# KiCad board PCA20073_nRF54L15_Tiny_Board.kicad_pcb (continued)
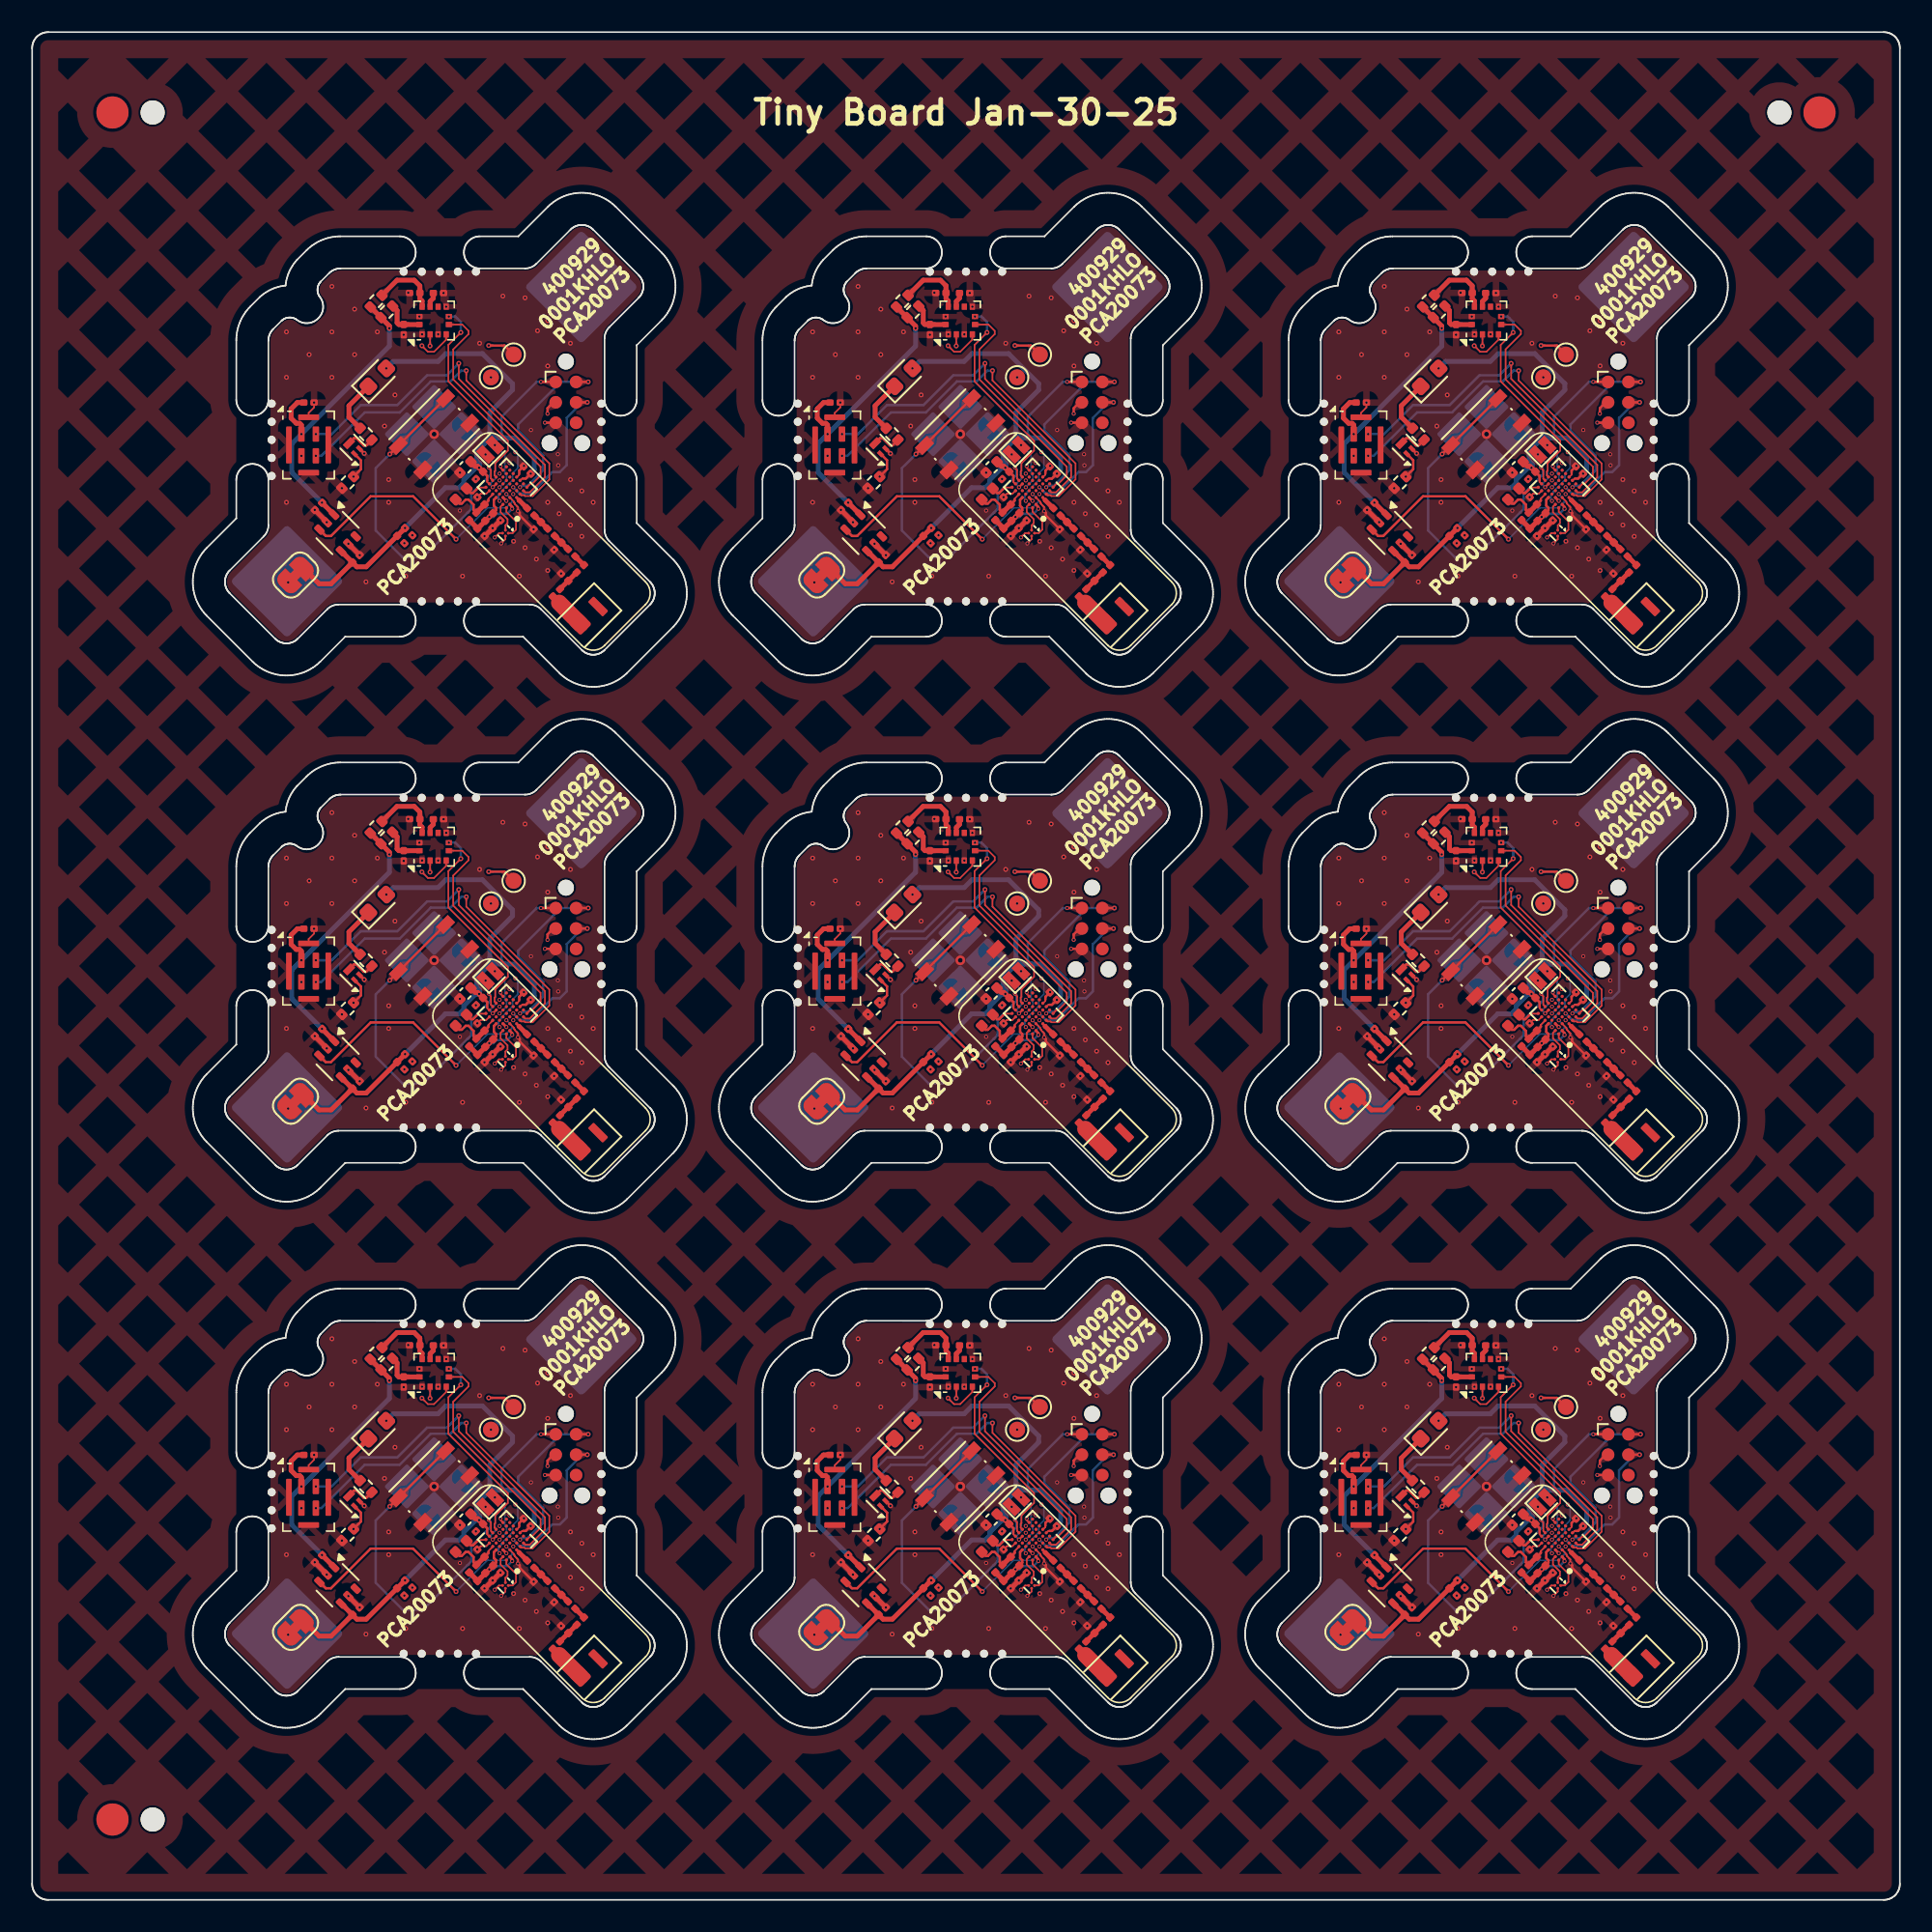
[diagram p0: board, top side]
## Placement (name value [footprint] x y rotation side) (continued)
KiKit_MB_23_3  -  [NPTH]  90.87 68.59 0 top
KiKit_MB_23_4  -  [NPTH]  92 68.59 0 top
KiKit_MB_23_5  -  [NPTH]  93.12 68.59 0 top
KiKit_MB_24_1  -  [NPTH]  93.12 48.07 0 top
KiKit_MB_24_2  -  [NPTH]  92 48.07 0 top
KiKit_MB_24_3  -  [NPTH]  90.87 48.07 0 top
KiKit_MB_24_4  -  [NPTH]  89.75 48.07 0 top
KiKit_MB_24_5  -  [NPTH]  88.62 48.07 0 top
KiKit_MB_25_1  -  [NPTH]  14.91 23.12 0 top
KiKit_MB_25_2  -  [NPTH]  14.91 24.25 0 top
KiKit_MB_25_3  -  [NPTH]  14.91 25.37 0 top
KiKit_MB_25_4  -  [NPTH]  14.91 26.5 0 top
KiKit_MB_25_5  -  [NPTH]  14.91 27.62 0 top
KiKit_MB_26_1  -  [NPTH]  35.43 27.62 0 top
KiKit_MB_26_2  -  [NPTH]  35.43 26.5 0 top
KiKit_MB_26_3  -  [NPTH]  35.43 25.37 0 top
KiKit_MB_26_4  -  [NPTH]  35.43 24.25 0 top
KiKit_MB_26_5  -  [NPTH]  35.43 23.12 0 top
KiKit_MB_27_1  -  [NPTH]  23.12 35.84 0 top
KiKit_MB_27_2  -  [NPTH]  24.25 35.84 0 top
KiKit_MB_27_3  -  [NPTH]  25.37 35.84 0 top
KiKit_MB_27_4  -  [NPTH]  26.5 35.84 0 top
KiKit_MB_27_5  -  [NPTH]  27.62 35.84 0 top
KiKit_MB_28_1  -  [NPTH]  27.62 15.32 0 top
KiKit_MB_28_2  -  [NPTH]  26.5 15.32 0 top
KiKit_MB_28_3  -  [NPTH]  25.37 15.32 0 top
KiKit_MB_28_4  -  [NPTH]  24.25 15.32 0 top
KiKit_MB_28_5  -  [NPTH]  23.12 15.32 0 top
KiKit_MB_29_1  -  [NPTH]  47.66 23.12 0 top
KiKit_MB_29_2  -  [NPTH]  47.66 24.25 0 top
KiKit_MB_29_3  -  [NPTH]  47.66 25.37 0 top
KiKit_MB_29_4  -  [NPTH]  47.66 26.5 0 top
KiKit_MB_29_5  -  [NPTH]  47.66 27.62 0 top
KiKit_MB_30_1  -  [NPTH]  68.18 27.62 0 top
KiKit_MB_30_2  -  [NPTH]  68.18 26.5 0 top
KiKit_MB_30_3  -  [NPTH]  68.18 25.37 0 top
KiKit_MB_30_4  -  [NPTH]  68.18 24.25 0 top
KiKit_MB_30_5  -  [NPTH]  68.18 23.12 0 top
KiKit_MB_31_1  -  [NPTH]  55.87 35.84 0 top
KiKit_MB_31_2  -  [NPTH]  57 35.84 0 top
KiKit_MB_31_3  -  [NPTH]  58.12 35.84 0 top
KiKit_MB_31_4  -  [NPTH]  59.25 35.84 0 top
KiKit_MB_31_5  -  [NPTH]  60.37 35.84 0 top
KiKit_MB_32_1  -  [NPTH]  60.37 15.32 0 top
KiKit_MB_32_2  -  [NPTH]  59.25 15.32 0 top
KiKit_MB_32_3  -  [NPTH]  58.12 15.32 0 top
KiKit_MB_32_4  -  [NPTH]  57 15.32 0 top
KiKit_MB_32_5  -  [NPTH]  55.87 15.32 0 top
KiKit_MB_33_1  -  [NPTH]  80.4 23.12 0 top
KiKit_MB_33_2  -  [NPTH]  80.4 24.25 0 top
KiKit_MB_33_3  -  [NPTH]  80.4 25.37 0 top
KiKit_MB_33_4  -  [NPTH]  80.4 26.5 0 top
KiKit_MB_33_5  -  [NPTH]  80.4 27.62 0 top
KiKit_MB_34_1  -  [NPTH]  100.92 27.62 0 top
KiKit_MB_34_2  -  [NPTH]  100.92 26.5 0 top
KiKit_MB_34_3  -  [NPTH]  100.92 25.37 0 top
KiKit_MB_34_4  -  [NPTH]  100.92 24.25 0 top
KiKit_MB_34_5  -  [NPTH]  100.92 23.12 0 top
KiKit_MB_35_1  -  [NPTH]  88.62 35.84 0 top
KiKit_MB_35_2  -  [NPTH]  89.75 35.84 0 top
KiKit_MB_35_3  -  [NPTH]  90.87 35.84 0 top
KiKit_MB_35_4  -  [NPTH]  92 35.84 0 top
KiKit_MB_35_5  -  [NPTH]  93.12 35.84 0 top
KiKit_MB_36_1  -  [NPTH]  93.12 15.32 0 top
KiKit_MB_36_2  -  [NPTH]  92 15.32 0 top
KiKit_MB_36_3  -  [NPTH]  90.87 15.32 0 top
KiKit_MB_36_4  -  [NPTH]  89.75 15.32 0 top
KiKit_MB_36_5  -  [NPTH]  88.62 15.32 0 top
KiKit_TO_1  -  [NPTH#2]  7.5 111.25 0 top
KiKit_TO_2  -  [NPTH#2]  108.75 111.25 0 top
KiKit_TO_3  -  [NPTH#2]  7.5 5 0 top
L1  4.7uH  [L_0402_1005Metric]  26.7 54.75 45 top
L1#2  4.7uH  [L_0402_1005Metric]  92.2 87.5 45 top
L1#3  4.7uH  [L_0402_1005Metric]  92.2 54.75 45 top
L1#4  4.7uH  [L_0402_1005Metric]  59.45 54.75 45 top
L1#5  4.7uH  [L_0402_1005Metric]  59.45 22 45 top
L1#6  4.7uH  [L_0402_1005Metric]  92.2 22 45 top
L1#7  4.7uH  [L_0402_1005Metric]  59.45 87.5 45 top
L1#8  4.7uH  [L_0402_1005Metric]  26.7 22 45 top
L1#9  4.7uH  [L_0402_1005Metric]  26.7 87.5 45 top
L2  3.6nH  [L_0201_0603Metric]  96.53 53.64 315 top
L2#2  3.6nH  [L_0201_0603Metric]  31.03 86.39 315 top
L2#3  3.6nH  [L_0201_0603Metric]  63.78 53.64 315 top
L2#4  3.6nH  [L_0201_0603Metric]  96.53 20.89 315 top
L2#5  3.6nH  [L_0201_0603Metric]  31.03 20.89 315 top
L2#6  3.6nH  [L_0201_0603Metric]  63.78 86.39 315 top
L2#7  3.6nH  [L_0201_0603Metric]  63.78 20.89 315 top
L2#8  3.6nH  [L_0201_0603Metric]  96.53 86.39 315 top
L2#9  3.6nH  [L_0201_0603Metric]  31.03 53.64 315 top
L3  4.7nH  [L_0201_0603Metric]  65.05 52.37 315 top
L3#2  4.7nH  [L_0201_0603Metric]  97.8 52.37 315 top
L3#3  4.7nH  [L_0201_0603Metric]  32.3 52.37 315 top
L3#4  4.7nH  [L_0201_0603Metric]  32.3 85.12 315 top
L3#5  4.7nH  [L_0201_0603Metric]  97.8 85.12 315 top
L3#6  4.7nH  [L_0201_0603Metric]  97.8 19.62 315 top
L3#7  4.7nH  [L_0201_0603Metric]  65.05 85.12 315 top
L3#8  4.7nH  [L_0201_0603Metric]  32.3 19.62 315 top
L3#9  4.7nH  [L_0201_0603Metric]  65.05 19.62 315 top
L4  2nH  [L_0201_0603Metric]  99.07 51.09 315 top
L4#2  2nH  [L_0201_0603Metric]  99.07 18.35 315 top
L4#3  2nH  [L_0201_0603Metric]  66.33 51.09 315 top
L4#4  2nH  [L_0201_0603Metric]  66.33 18.35 315 top
L4#5  2nH  [L_0201_0603Metric]  66.33 83.84 315 top
L4#6  2nH  [L_0201_0603Metric]  99.07 83.84 315 top
L4#7  2nH  [L_0201_0603Metric]  33.58 51.09 315 top
L4#8  2nH  [L_0201_0603Metric]  33.58 83.84 315 top
L4#9  2nH  [L_0201_0603Metric]  33.58 18.35 315 top
L6  4.9nH  [C_0201_0603Metric]  66.87 17.35 225 top
L6#2  4.9nH  [C_0201_0603Metric]  99.62 17.35 225 top
L6#3  4.9nH  [C_0201_0603Metric]  66.87 50.1 225 top
L6#4  4.9nH  [C_0201_0603Metric]  66.87 82.85 225 top
L6#5  4.9nH  [C_0201_0603Metric]  99.62 82.85 225 top
L6#6  4.9nH  [C_0201_0603Metric]  34.12 17.35 225 top
L6#7  4.9nH  [C_0201_0603Metric]  34.12 50.1 225 top
L6#8  4.9nH  [C_0201_0603Metric]  34.12 82.85 225 top
L6#9  4.9nH  [C_0201_0603Metric]  99.62 50.1 225 top
L7  10nH  [C_0201_0603Metric]  32.63 81.35 225 top
L7#2  10nH  [C_0201_0603Metric]  98.13 48.61 225 top
L7#3  10nH  [C_0201_0603Metric]  98.13 15.86 225 top
L7#4  10nH  [C_0201_0603Metric]  98.13 81.35 225 top
L7#5  10nH  [C_0201_0603Metric]  65.38 48.61 225 top
L7#6  10nH  [C_0201_0603Metric]  65.38 15.86 225 top
L7#7  10nH  [C_0201_0603Metric]  32.63 48.61 225 top
L7#8  10nH  [C_0201_0603Metric]  32.63 15.86 225 top
L7#9  10nH  [C_0201_0603Metric]  65.38 81.35 225 top
L18  4.7nH  [C_0201_0603Metric]  33.15 16.83 135 top
L18#2  4.7nH  [C_0201_0603Metric]  33.15 49.57 135 top
L18#3  4.7nH  [C_0201_0603Metric]  98.64 16.83 135 top
L18#4  4.7nH  [C_0201_0603Metric]  98.64 49.57 135 top
L18#5  4.7nH  [C_0201_0603Metric]  33.15 82.32 135 top
L18#6  4.7nH  [C_0201_0603Metric]  65.89 49.57 135 top
L18#7  4.7nH  [C_0201_0603Metric]  65.89 16.83 135 top
L18#8  4.7nH  [C_0201_0603Metric]  65.89 82.32 135 top
L18#9  4.7nH  [C_0201_0603Metric]  98.64 82.32 135 top
MK1  MP34DT05-A  [ST_HCLGA-4_3x4mm_P1.35mm]  82.71 90.55 0 top
MK1#2  MP34DT05-A  [ST_HCLGA-4_3x4mm_P1.35mm]  82.71 57.8 0 top
MK1#3  MP34DT05-A  [ST_HCLGA-4_3x4mm_P1.35mm]  82.71 25.05 0 top
MK1#4  MP34DT05-A  [ST_HCLGA-4_3x4mm_P1.35mm]  17.21 25.05 0 top
MK1#5  MP34DT05-A  [ST_HCLGA-4_3x4mm_P1.35mm]  17.21 90.55 0 top
MK1#6  MP34DT05-A  [ST_HCLGA-4_3x4mm_P1.35mm]  49.96 90.55 0 top
MK1#7  MP34DT05-A  [ST_HCLGA-4_3x4mm_P1.35mm]  17.21 57.8 0 top
MK1#8  MP34DT05-A  [ST_HCLGA-4_3x4mm_P1.35mm]  49.96 25.05 0 top
MK1#9  MP34DT05-A  [ST_HCLGA-4_3x4mm_P1.35mm]  49.96 57.8 0 top
Q1  Q_NMOS_GSD  [Diodes_DFN1006-3]  85.46 90.41 135 top
Q1#2  Q_NMOS_GSD  [Diodes_DFN1006-3]  52.71 57.66 135 top
Q1#3  Q_NMOS_GSD  [Diodes_DFN1006-3]  52.71 24.91 135 top
Q1#4  Q_NMOS_GSD  [Diodes_DFN1006-3]  85.46 57.66 135 top
Q1#5  Q_NMOS_GSD  [Diodes_DFN1006-3]  85.46 24.91 135 top
Q1#6  Q_NMOS_GSD  [Diodes_DFN1006-3]  52.71 90.41 135 top
Q1#7  Q_NMOS_GSD  [Diodes_DFN1006-3]  19.96 90.41 135 top
Q1#8  Q_NMOS_GSD  [Diodes_DFN1006-3]  19.96 24.91 135 top
Q1#9  Q_NMOS_GSD  [Diodes_DFN1006-3]  19.96 57.66 135 top
R1  1kR  [R_0402_1005Metric]  86.28 25.73 315 top
R1#2  1kR  [R_0402_1005Metric]  53.53 91.23 315 top
R1#3  1kR  [R_0402_1005Metric]  20.78 25.73 315 top
R1#4  1kR  [R_0402_1005Metric]  20.78 58.48 315 top
R1#5  1kR  [R_0402_1005Metric]  86.28 58.48 315 top
R1#6  1kR  [R_0402_1005Metric]  53.53 58.48 315 top
R1#7  1kR  [R_0402_1005Metric]  53.53 25.73 315 top
R1#8  1kR  [R_0402_1005Metric]  86.28 91.23 315 top
R1#9  1kR  [R_0402_1005Metric]  20.78 91.23 315 top
R2  10kR  [R_0201_0603Metric]  22.94 19.17 315 top
R2#2  10kR  [R_0201_0603Metric]  55.69 84.66 315 top
R2#3  10kR  [R_0201_0603Metric]  22.94 84.66 315 top
R2#4  10kR  [R_0201_0603Metric]  55.69 19.17 315 top
R2#5  10kR  [R_0201_0603Metric]  88.44 51.91 315 top
R2#6  10kR  [R_0201_0603Metric]  88.44 84.66 315 top
R2#7  10kR  [R_0201_0603Metric]  88.44 19.17 315 top
R2#8  10kR  [R_0201_0603Metric]  55.69 51.91 315 top
R2#9  10kR  [R_0201_0603Metric]  22.94 51.91 315 top
R3  10kR  [R_0201_0603Metric]  23.44 52.41 315 top
R3#2  10kR  [R_0201_0603Metric]  56.19 19.66 315 top
R3#3  10kR  [R_0201_0603Metric]  88.93 52.41 315 top
R3#4  10kR  [R_0201_0603Metric]  56.19 52.41 315 top
R3#5  10kR  [R_0201_0603Metric]  88.93 19.66 315 top
R3#6  10kR  [R_0201_0603Metric]  23.44 85.16 315 top
R3#7  10kR  [R_0201_0603Metric]  56.19 85.16 315 top
R3#8  10kR  [R_0201_0603Metric]  88.93 85.16 315 top
R3#9  10kR  [R_0201_0603Metric]  23.44 19.66 315 top
R4  1MR  [R_0402_1005Metric]  52.39 88.22 225 top
R4#2  1MR  [R_0402_1005Metric]  19.64 55.47 225 top
R4#3  1MR  [R_0402_1005Metric]  52.39 55.47 225 top
R4#4  1MR  [R_0402_1005Metric]  19.64 22.72 225 top
R4#5  1MR  [R_0402_1005Metric]  19.64 88.22 225 top
R4#6  1MR  [R_0402_1005Metric]  85.14 55.47 225 top
R4#7  1MR  [R_0402_1005Metric]  85.14 88.22 225 top
R4#8  1MR  [R_0402_1005Metric]  52.39 22.72 225 top
R4#9  1MR  [R_0402_1005Metric]  85.14 22.72 225 top
SW1  SW_Push  [SW_Push_1P1T_NO_Vertical_Wuerth_434133025816]  57.77 58.48 45 top
SW1#2  SW_Push  [SW_Push_1P1T_NO_Vertical_Wuerth_434133025816]  25.02 91.23 45 top
SW1#3  SW_Push  [SW_Push_1P1T_NO_Vertical_Wuerth_434133025816]  25.02 25.73 45 top
SW1#4  SW_Push  [SW_Push_1P1T_NO_Vertical_Wuerth_434133025816]  90.52 91.23 45 top
SW1#5  SW_Push  [SW_Push_1P1T_NO_Vertical_Wuerth_434133025816]  90.52 58.48 45 top
SW1#6  SW_Push  [SW_Push_1P1T_NO_Vertical_Wuerth_434133025816]  57.77 91.23 45 top
SW1#7  SW_Push  [SW_Push_1P1T_NO_Vertical_Wuerth_434133025816]  25.02 58.48 45 top
SW1#8  SW_Push  [SW_Push_1P1T_NO_Vertical_Wuerth_434133025816]  57.77 25.73 45 top
SW1#9  SW_Push  [SW_Push_1P1T_NO_Vertical_Wuerth_434133025816]  90.52 25.73 45 top
TP1  TestPoint  [TestPoint_Pad_D1.0mm]  28.56 29.26 45 top  (not fitted)
TP1#2  TestPoint  [TestPoint_Pad_D1.0mm]  28.56 62.01 45 top  (not fitted)
TP1#3  TestPoint  [TestPoint_Pad_D1.0mm]  61.3 29.26 45 top  (not fitted)
TP1#4  TestPoint  [TestPoint_Pad_D1.0mm]  94.05 29.26 45 top  (not fitted)
TP1#5  TestPoint  [TestPoint_Pad_D1.0mm]  61.3 62.01 45 top  (not fitted)
TP1#6  TestPoint  [TestPoint_Pad_D1.0mm]  61.3 94.76 45 top  (not fitted)
TP1#7  TestPoint  [TestPoint_Pad_D1.0mm]  94.05 62.01 45 top  (not fitted)
TP1#8  TestPoint  [TestPoint_Pad_D1.0mm]  28.56 94.76 45 top  (not fitted)
TP1#9  TestPoint  [TestPoint_Pad_D1.0mm]  94.05 94.76 45 top  (not fitted)
TP2  TestPoint  [TestPoint_Pad_D1.0mm]  95.47 63.43 45 top  (not fitted)
TP2#2  TestPoint  [TestPoint_Pad_D1.0mm]  95.47 30.68 45 top  (not fitted)
TP2#3  TestPoint  [TestPoint_Pad_D1.0mm]  62.72 30.68 45 top  (not fitted)
TP2#4  TestPoint  [TestPoint_Pad_D1.0mm]  95.47 96.17 45 top  (not fitted)
TP2#5  TestPoint  [TestPoint_Pad_D1.0mm]  62.72 63.43 45 top  (not fitted)
TP2#6  TestPoint  [TestPoint_Pad_D1.0mm]  29.97 63.43 45 top  (not fitted)
TP2#7  TestPoint  [TestPoint_Pad_D1.0mm]  29.97 30.68 45 top  (not fitted)
TP2#8  TestPoint  [TestPoint_Pad_D1.0mm]  62.72 96.17 45 top  (not fitted)
TP2#9  TestPoint  [TestPoint_Pad_D1.0mm]  29.97 96.17 45 top  (not fitted)
U1  nRF54L15-CAXX  [BGA-47_7x7_2.451x2.245mm]  62.33 55.11 135 top
U1#2  nRF54L15-CAXX  [BGA-47_7x7_2.451x2.245mm]  95.08 55.11 135 top
U1#3  nRF54L15-CAXX  [BGA-47_7x7_2.451x2.245mm]  95.08 87.86 135 top
U1#4  nRF54L15-CAXX  [BGA-47_7x7_2.451x2.245mm]  29.58 87.86 135 top
U1#5  nRF54L15-CAXX  [BGA-47_7x7_2.451x2.245mm]  62.33 87.86 135 top
U1#6  nRF54L15-CAXX  [BGA-47_7x7_2.451x2.245mm]  62.33 22.36 135 top
U1#7  nRF54L15-CAXX  [BGA-47_7x7_2.451x2.245mm]  95.08 22.36 135 top
U1#8  nRF54L15-CAXX  [BGA-47_7x7_2.451x2.245mm]  29.58 22.36 135 top
U1#9  nRF54L15-CAXX  [BGA-47_7x7_2.451x2.245mm]  29.58 55.11 135 top
U2  SiP32432DR3  [SOT-363_SC-70-6]  51.76 19.58 315 top
U2#2  SiP32432DR3  [SOT-363_SC-70-6]  51.76 52.32 315 top
U2#3  SiP32432DR3  [SOT-363_SC-70-6]  51.76 85.07 315 top
U2#4  SiP32432DR3  [SOT-363_SC-70-6]  19.01 52.32 315 top
U2#5  SiP32432DR3  [SOT-363_SC-70-6]  19.01 19.58 315 top
U2#6  SiP32432DR3  [SOT-363_SC-70-6]  84.51 52.32 315 top
U2#7  SiP32432DR3  [SOT-363_SC-70-6]  19.01 85.07 315 top
U2#8  SiP32432DR3  [SOT-363_SC-70-6]  84.51 19.58 315 top
U2#9  SiP32432DR3  [SOT-363_SC-70-6]  84.51 85.07 315 top
U3  ADXL366  [Analog_LGA-12_2.20x2.30mm_P0.5mm]  25.02 32.8 90 top
U3#2  ADXL366  [Analog_LGA-12_2.20x2.30mm_P0.5mm]  57.77 98.3 90 top
U3#3  ADXL366  [Analog_LGA-12_2.20x2.30mm_P0.5mm]  90.52 32.8 90 top
U3#4  ADXL366  [Analog_LGA-12_2.20x2.30mm_P0.5mm]  25.02 98.3 90 top
U3#5  ADXL366  [Analog_LGA-12_2.20x2.30mm_P0.5mm]  25.02 65.55 90 top
U3#6  ADXL366  [Analog_LGA-12_2.20x2.30mm_P0.5mm]  57.77 65.55 90 top
U3#7  ADXL366  [Analog_LGA-12_2.20x2.30mm_P0.5mm]  90.52 65.55 90 top
U3#8  ADXL366  [Analog_LGA-12_2.20x2.30mm_P0.5mm]  57.77 32.8 90 top
U3#9  ADXL366  [Analog_LGA-12_2.20x2.30mm_P0.5mm]  90.52 98.3 90 top
Y1  32.768kHz  [Crystal_SMD_1210-2Pin_1.2x1.0mm]  94.01 24.76 45 top
Y1#2  32.768kHz  [Crystal_SMD_1210-2Pin_1.2x1.0mm]  94.01 57.5 45 top
Y1#3  32.768kHz  [Crystal_SMD_1210-2Pin_1.2x1.0mm]  61.26 57.5 45 top
Y1#4  32.768kHz  [Crystal_SMD_1210-2Pin_1.2x1.0mm]  28.51 90.25 45 top
Y1#5  32.768kHz  [Crystal_SMD_1210-2Pin_1.2x1.0mm]  28.51 57.5 45 top
Y1#6  32.768kHz  [Crystal_SMD_1210-2Pin_1.2x1.0mm]  61.26 24.76 45 top
Y1#7  32.768kHz  [Crystal_SMD_1210-2Pin_1.2x1.0mm]  61.26 90.25 45 top
Y1#8  32.768kHz  [Crystal_SMD_1210-2Pin_1.2x1.0mm]  94.01 90.25 45 top
Y1#9  32.768kHz  [Crystal_SMD_1210-2Pin_1.2x1.0mm]  28.51 24.76 45 top
Y2  SiT11100  [Oscillator_SMD_SiTime_SiT11100-4Pin_0.46x0.46mm]  29.46 19.57 135 top
Y2#2  SiT11100  [Oscillator_SMD_SiTime_SiT11100-4Pin_0.46x0.46mm]  29.46 85.06 135 top
Y2#3  SiT11100  [Oscillator_SMD_SiTime_SiT11100-4Pin_0.46x0.46mm]  62.21 85.06 135 top
Y2#4  SiT11100  [Oscillator_SMD_SiTime_SiT11100-4Pin_0.46x0.46mm]  62.21 52.31 135 top
Y2#5  SiT11100  [Oscillator_SMD_SiTime_SiT11100-4Pin_0.46x0.46mm]  29.46 52.31 135 top
Y2#6  SiT11100  [Oscillator_SMD_SiTime_SiT11100-4Pin_0.46x0.46mm]  94.95 19.57 135 top
Y2#7  SiT11100  [Oscillator_SMD_SiTime_SiT11100-4Pin_0.46x0.46mm]  94.95 85.06 135 top
Y2#8  SiT11100  [Oscillator_SMD_SiTime_SiT11100-4Pin_0.46x0.46mm]  94.95 52.31 135 top
Y2#9  SiT11100  [Oscillator_SMD_SiTime_SiT11100-4Pin_0.46x0.46mm]  62.21 19.57 135 top

## Library data of the parts
AE1 AE1#2-AE1#9 = -: Description: Ceramic chip antenna with pin for PCB trace; Consigned: Y
BT1 BT1#2-BT1#9 = -: Description: Single-cell battery; LCSC: C964829; PartId: 100500047
C1 C1#2-C1#9 C2 C2#2-C2#9 C20 C20#2-C20#9 = -: Description: Unpolarized capacitor, small symbol; LCSC: C23630; PartId: 100200660
C3 C3#2-C3#9 C4 C4#2-C4#9 C8 C8#2-C8#9 C11 C11#2-C11#9 C16 C16#2-C16#9 C17 C17#2-C17#9 = -: Description: Unpolarized capacitor, small symbol; LCSC: C76939; PartId: 100200469
C5 C5#2-C5#9 = -: Description: Unpolarized capacitor, small symbol; LCSC: C22374845; PartId: 100200092
C6 C6#2-C6#9 C9 C9#2-C9#9 = -: Description: Unpolarized capacitor, small symbol; LCSC: C85895; PartId: 100200086
C10 C10#2-C10#9 = -: Description: Unpolarized capacitor, small symbol; LCSC: C15525; PartId: 100200383
C12 C12#2-C12#9 = -: Description: Unpolarized capacitor, small symbol; LCSC: C76941; PartId: 100200491
C15 C15#2-C15#9 = -: Description: Unpolarized capacitor, small symbol; LCSC: C701263; PartId: 100200487
D1 D1#2-D1#9 = -: Description: Light emitting diode, small symbol; LCSC: C84273
FB1 FB1#2-FB1#9 = -: Description: Ferrite bead, small symbol; LCSC: C83991; PartId: 100300419
J1 J1#2-J1#9 = -: Datasheet: https://www.tag-connect.com/wp-content/uploads/bsk-pdf-manager/TC2030-CTX_1.pdf; Description: Tag-Connect ARM Cortex SWD JTAG connector, 6 pin, no legs
JP1 JP1#2-JP1#9 = -: Description: Jumper, 2-pole, small symbol, bridged
JP2 JP2#2-JP2#9 JP3 JP3#2-JP3#9 = -: Description: Jumper, 2-pole, small symbol, bridged; LCSC: C17168; PartId: 100100109
L1 L1#2-L1#9 = -: Description: Inductor, small symbol; PartId: 100300441
L2 L2#2-L2#9 = -: Description: Inductor, small symbol; LCSC: C275212; PartId: 100300223
L3 L3#2-L3#9 L18 L18#2-L18#9 = -: Description: Inductor, small symbol; LCSC: C86126; PartId: 100300231
L4 L4#2-L4#9 = -: Description: Inductor, small symbol; LCSC: C307709; PartId: 100300016
L6 L6#2-L6#9 = -: Description: Inductor, small symbol; LCSC: C86126; PartId: 100300233
L7 L7#2-L7#9 = -: Description: Inductor, small symbol; LCSC: C162594; PartId: 100300242
MK1 MK1#2-MK1#9 = -: Datasheet: https://www.mouser.com/datasheet/2/389/mp34dt05_a-1850143.pdf; Description: Digital MEMS Microphone, LGA-5
Q1 Q1#2-Q1#9 = -: Description: N-MOSFET transistor, gate/source/drain; LCSC: C7527987; PartId: 101300187
R1 R1#2-R1#9 = -: Description: Resistor, small US symbol; LCSC: C106235; PartId: 100100171
R2 R2#2-R2#9 R3 R3#2-R3#9 = -: Description: Resistor, small US symbol; LCSC: C106225; PartId: 100100065
R4 R4#2-R4#9 = -: Description: Resistor, small US symbol; LCSC: C138033; PartId: 100100265
SW1 SW1#2-SW1#9 = -: Description: Push button switch, generic, two pins; LCSC: C127488; PartId: 101500104
TP1 TP1#2-TP1#9 TP2 TP2#2-TP2#9 = -: Description: test point
U1 U1#2-U1#9 = -: Description: nRF54L Dual Core Multiprotocol BLE SoC; Consigned: Y; PartId: 102000283
U2 U2#2-U2#9 = -: Datasheet: http://www.vishay.com.hk/docs/66597/sip32431.pdf; Description: 10 pA, Ultra Low Leakage and Quiescent Current, Load Switch with Reverse Blocking, Low Enable, SC-70-6; LCSC: C141606
U3 U3#2-U3#9 = -: Datasheet: https://www.analog.com/media/en/technical-documentation/data-sheets/ADXL363.pdf; Description: Micropower 3-Axis Accelerometer, 2/4/8g range, SPI, LGA-12; Consigned: Y
Y1 Y1#2-Y1#9 = -: Description: Two pin crystal, small symbol
Y2 Y2#2-Y2#9 = -: Description: Four pin crystal, GND on pins 2 and 3, small symbol; Consigned: Y

## Footprints (pads in the part's own frame, mm; a bottom-side part is the same pattern mirrored in y, then rotated)
Analog_LGA-12_2.20x2.30mm_P0.5mm
  rrect 0.39x0.33 smd: 1(-0.86,0.75) 2(-0.86,0.25) 3(-0.86,-0.25) 4(-0.86,-0.75) 7(0.86,-0.75) 8(0.86,-0.25) 9(0.86,0.25) 10(0.86,0.75)
  rrect 0.33x0.39 smd: 5(-0.25,-0.914) 6(0.25,-0.914) 11(0.25,0.914) 12(-0.25,0.914)
BatteryHolder_Multicomp_BC-2001_1x2032
  rrect 5x5 smd: 1(-12.95,0) 1(12.95,0)
  rrect 2x2 smd: 2(-1.2,-1.2) 2(-1.2,1.2) 2(1.2,-1.2) 2(1.2,1.2)
BGA-47_7x7_2.451x2.245mm
  round 0.2 smd: A1(-0.816,0.9) A2(-0.516,0.9) A3(-0.216,0.9) A4(0.084,0.9) A5(0.384,0.9) A6(0.684,0.9) A7(0.984,0.9) B1(-0.816,0.6) B3(-0.216,0.6) B4(0.084,0.6) B5(0.384,0.6) B6(0.684,0.6) B7(0.984,0.6) C2(-0.516,0.3) C3(-0.216,0.3) C4(0.084,0.3) C5(0.384,0.3) C6(0.684,0.3) C7(0.984,0.3) D1(-0.816,0) D2(-0.516,0) D3(-0.216,0) D4(0.084,0) D5(0.384,0) D6(0.684,0) D7(0.984,0) E1(-0.816,-0.3) E2(-0.516,-0.3) E3(-0.216,-0.3) E4(0.084,-0.3) E5(0.384,-0.3) E6(0.684,-0.3) E7(0.984,-0.3) F1(-0.816,-0.6) F2(-0.516,-0.6) F3(-0.216,-0.6) F4(0.084,-0.6) F5(0.384,-0.6) F6(0.684,-0.6) F7(0.984,-0.6) G1(-0.816,-0.9) G2(-0.516,-0.9) G3(-0.216,-0.9) G4(0.084,-0.9) G5(0.384,-0.9) G6(0.684,-0.9) G7(0.984,-0.9)
C_0201_0603Metric
  rrect 0.318x0.36 smd: (-0.345,0) (0.345,0)
  rrect 0.46x0.4 smd: 1(-0.32,0) 2(0.32,0)
C_0402_1005Metric
  rrect 0.56x0.62 smd: 1(-0.48,0) 2(0.48,0)
Crystal_SMD_1210-2Pin_1.2x1.0mm
  rect 0.575x1.114 smd: 1(-0.413,0) 2(0.413,0)
Diodes_DFN1006-3
  rect 0.4x0.25 smd: 1(-0.35,0.225) 2(-0.35,-0.225)
  rect 0.4x0.7 smd: 3(0.35,0)
Fiducial
  round 2 smd: (0,0)
Ignion_NN02-101
  rrect 0.5x1.3 smd: 1(-0.85,0)
  rrect 1x1 smd: 2(0.7,0)
L_0201_0603Metric
  rrect 0.318x0.36 smd: (-0.345,0) (0.345,0)
  rrect 0.46x0.4 smd: 1(-0.32,0) 2(0.32,0)
L_0402_1005Metric
  rrect 0.59x0.64 smd: 1(-0.485,0) 2(0.485,0)
LED_0603_1608Metric
  rrect 0.875x0.95 smd: 1(-0.788,0) 2(0.788,0)
NPTH
  round 0.5 hole 0.5 unplated: (0,0)
NPTH#2
  round 1.5 hole 1.5 unplated: (0,0)
Oscillator_SMD_SiTime_SiT11100-4Pin_0.46x0.46mm
  round 0.175 smd: 1(-0.125,-0.125) 2(-0.125,0.125) 3(0.125,0.125) 4(0.125,-0.125)
R_0201_0603Metric
  rrect 0.318x0.36 smd: (-0.345,0) (0.345,0)
  rrect 0.46x0.4 smd: 1(-0.32,0) 2(0.32,0)
R_0402_1005Metric
  rrect 0.54x0.64 smd: 1(-0.51,0) 2(0.51,0)
SolderJumper-2_P1.3mm_Bridged_RoundedPad1.0x1.5mm
  custom 1x1.5 smd: 1(-0.65,0) 2(0.65,0)
SOT-363_SC-70-6
  rrect 0.65x0.4 smd: 1(-0.95,0.65) 2(-0.95,0) 3(-0.95,-0.65) 4(0.95,-0.65) 5(0.95,0) 6(0.95,0.65)
ST_HCLGA-4_3x4mm_P1.35mm
  rrect 0.4x0.95 smd: 1(-0.45,0.675) 2(-0.45,-0.675) 3(0.45,-0.675) 4(0.45,0.675)
  rrect 0.35x2.3 smd: 5(-1.225,0) 5(1.225,0)
  rrect 1.3x0.35 smd: 5(0,1.725) 5(0,-1.725)
SW_Push_1P1T_NO_Vertical_Wuerth_434133025816
  rect 1.05x0.65 smd: 1(-2.075,1.075) 1(2.075,1.075) 2(-2.075,-1.075) 2(2.05,-1.075)
Tag-Connect_TC2030-IDC-NL_2x03_P1.27mm_Vertical
  round 0.991 hole 0.991 unplated: (-2.54,0) (2.54,1.016) (2.54,-1.016)
  round 0.787 smd: 1(-1.27,-0.635) 2(-1.27,0.635) 3(0,-0.635) 4(0,0.635) 5(1.27,-0.635) 6(1.27,0.635)
TestPoint_Pad_D1.0mm
  round 1 smd: 1(0,0)

## Nets
Board_0-/VDD_LS: C4#2.1 C20#9.1 JP2#3.2 JP3#4.2 MK1#5.1 U2#7.1
Board_1-/VDD_LS: C4.1 C20#4.1 JP2.2 JP3#9.2 MK1#6.1 U2#3.1
Board_2-/VDD_LS: C4#9.1 C20#3.1 JP2#7.2 JP3#3.2 MK1.1 U2#9.1
Board_3-/VDD_LS: C4#6.1 C20#6.1 JP2#4.2 JP3#7.2 MK1#7.1 U2#4.1
Board_4-/VDD_LS: C4#4.1 C20#7.1 JP2#9.2 JP3.2 MK1#9.1 U2#2.1
Board_5-/VDD_LS: C4#7.1 C20#2.1 JP2#6.2 JP3#8.2 MK1#2.1 U2#6.1
Board_6-/VDD_LS: C4#3.1 C20.1 JP2#8.2 JP3#5.2 MK1#4.1 U2#5.1
Board_7-/VDD_LS: C4#8.1 C20#5.1 JP2#5.2 JP3#6.2 MK1#8.1 U2.1
Board_8-/VDD_LS: C4#5.1 C20#8.1 JP2#2.2 JP3#2.2 MK1#3.1 U2#8.1
Board_0-/BUTTON0: SW1#2.1 U1#4.C7
Board_0-/INT1: U1#4.G1 U3#4.5
Board_0-/INT2: U1#4.D7 U3#4.6
Board_0-/LED: Q1#7.1 R4#5.1 U1#4.B3
Board_0-/LFCLK1: U1#4.B6 U1#4.C6 Y1#4.1
Board_0-/LSW: U1#4.C3 U2#7.3
Board_0-/PDM_CLK: MK1#5.3 U1#4.E1
Board_0-/PDM_DATA: MK1#5.4 U1#4.F1
Board_0-/SCL: R3#6.2 U1#4.F7 U3#4.4
Board_0-/SDA: R2#3.2 U1#4.D6 U3#4.2
Board_0-/UART_RX: TP2#9.1 U1#4.A3
Board_0-/UART_TX: TP1#8.1 U1#4.E7
Board_0-GND: BT1#3.2 C1#7.2 C2#9.2 C3#3.2 C4#2.2 C5.2 C6#4.2 C8#6.2 C9#7.2 C10#8.2 C11.2 C12.2 C15#5.2 C16#7.2 C17#6.2 C20#9.2 J1#7.5 L18#5.2 MK1#5.2 MK1#5.5 Q1#7.2 R4#5.2 SW1#2.2 U1#4.A6 U1#4.C2 U1#4.G4 U2#7.2 U2#7.5 U3#4.1 U3#4.3 U3#4.7 U3#4.11 Y2#2.2 Y2#2.3
Board_0-Net-(AE1-PCB_Trace): AE1#6.2 L7.2
Board_0-Net-(BT1-+): BT1#3.1 JP1#7.1
Board_0-Net-(C6-Pad1): C6#4.1 L2#2.2 L3#4.1
Board_0-Net-(C9-Pad1): C9#7.1 L3#4.2 L4#8.1
Board_0-Net-(D1-K): D1#6.1 R1#9.1
Board_0-Net-(J1-SWCLK): J1#7.4 U1#4.E3
Board_0-Net-(J1-SWDIO): J1#7.2 U1#4.F2
Board_0-Net-(J1-~{RESET}): J1#7.3 U1#4.D2
Board_0-Net-(JP2-A): C16#7.1 JP2#3.1 U3#4.12
Board_0-Net-(JP3-A): C17#6.1 JP3#4.1 U3#4.10
Board_0-Net-(L4-Pad2): L4#8.2 L6#8.1
Board_0-Net-(L18-Pad1): L6#8.2 L7.1 L18#5.1
Board_0-Net-(Q1-D): Q1#7.3 R1#9.2
Board_0-Net-(U1-ANT): L2#2.1 U1#4.D1
Board_0-Net-(U1-DCC): L1#9.2 U1#4.A7
Board_0-Net-(U1-DECA): C2#9.1 C5.1 C12.1 FB1#9.1 U1#4.A4 U1#4.B1
Board_0-Net-(U1-DECD): C1#7.1 FB1#9.2 L1#9.1 U1#4.A5
Board_0-Net-(U1-P1.00): U1#4.C5 Y1#4.2
Board_0-Net-(U1-XC1): U1#4.A1 Y2#2.1
Board_0-Net-(U1-XC2): U1#4.A2 Y2#2.4
Board_0-Net-(U3-V_{REG_OUT}): C15#5.1 U3#4.9
Board_0-unconnected-(AE1-FEED-Pad1): AE1#6.1
Board_0-unconnected-(J1-SWO-Pad6): J1#7.6
Board_0-unconnected-(U1-P0.02-PadE2): U1#4.E2
Board_0-unconnected-(U1-P0.04-PadD3): U1#4.D3
Board_0-unconnected-(U1-P1.03-PadD5): U1#4.D5
Board_0-unconnected-(U1-P1.05-PadE6): U1#4.E6
Board_0-unconnected-(U1-P1.11-PadC4): U1#4.C4
Board_0-unconnected-(U1-P1.13-PadB4): U1#4.B4
Board_0-unconnected-(U1-P1.14-PadB5): U1#4.B5
Board_0-unconnected-(U1-P2.00-PadG6): U1#4.G6
Board_0-unconnected-(U1-P2.01-PadG7): U1#4.G7
Board_0-unconnected-(U1-P2.02-PadF6): U1#4.F6
Board_0-unconnected-(U1-P2.03-PadE5): U1#4.E5
Board_0-unconnected-(U1-P2.04-PadF5): U1#4.F5
Board_0-unconnected-(U1-P2.05-PadG5): U1#4.G5
Board_0-unconnected-(U1-P2.06-PadF4): U1#4.F4
Board_0-unconnected-(U1-P2.07-PadE4): U1#4.E4
Board_0-unconnected-(U1-P2.08-PadD4): U1#4.D4
Board_0-unconnected-(U1-P2.09-PadF3): U1#4.F3
Board_0-unconnected-(U1-P2.10-PadG2): U1#4.G2
Board_0-unconnected-(U2-NC-Pad6): U2#7.6
Board_0-unconnected-(U3-ADC_IN-Pad8): U3#4.8
Board_0-VDD: C3#3.1 C8#6.1 C10#8.1 C11.1 D1#6.2 J1#7.1 JP1#7.2 R2#3.1 R3#6.1 U1#4.B7 U1#4.G3 U2#7.4
Board_1-/BUTTON0: SW1#6.1 U1#5.C7
Board_1-/INT1: U1#5.G1 U3#2.5
Board_1-/INT2: U1#5.D7 U3#2.6
Board_1-/LED: Q1#6.1 R4.1 U1#5.B3
Board_1-/LFCLK1: U1#5.B6 U1#5.C6 Y1#7.1
Board_1-/LSW: U1#5.C3 U2#3.3
Board_1-/PDM_CLK: MK1#6.3 U1#5.E1
Board_1-/PDM_DATA: MK1#6.4 U1#5.F1
Board_1-/SCL: R3#7.2 U1#5.F7 U3#2.4
Board_1-/SDA: R2#2.2 U1#5.D6 U3#2.2
Board_1-/UART_RX: TP2#8.1 U1#5.A3
Board_1-/UART_TX: TP1#6.1 U1#5.E7
Board_1-GND: BT1.2 C1#5.2 C2#2.2 C3#9.2 C4.2 C5#3.2 C6#7.2 C8#3.2 C9#4.2 C10#9.2 C11#5.2 C12#7.2 C15#6.2 C16#4.2 C17#5.2 C20#4.2 J1.5 L18#8.2 MK1#6.2 MK1#6.5 Q1#6.2 R4.2 SW1#6.2 U1#5.A6 U1#5.C2 U1#5.G4 U2#3.2 U2#3.5 U3#2.1 U3#2.3 U3#2.7 U3#2.11 Y2#3.2 Y2#3.3
Board_1-Net-(AE1-PCB_Trace): AE1#5.2 L7#9.2
Board_1-Net-(BT1-+): BT1.1 JP1#3.1
Board_1-Net-(C6-Pad1): C6#7.1 L2#6.2 L3#7.1
Board_1-Net-(C9-Pad1): C9#4.1 L3#7.2 L4#5.1
Board_1-Net-(D1-K): D1#2.1 R1#2.1
Board_1-Net-(J1-SWCLK): J1.4 U1#5.E3
Board_1-Net-(J1-SWDIO): J1.2 U1#5.F2
Board_1-Net-(J1-~{RESET}): J1.3 U1#5.D2
Board_1-Net-(JP2-A): C16#4.1 JP2.1 U3#2.12
Board_1-Net-(JP3-A): C17#5.1 JP3#9.1 U3#2.10
Board_1-Net-(L4-Pad2): L4#5.2 L6#4.1
Board_1-Net-(L18-Pad1): L6#4.2 L7#9.1 L18#8.1
Board_1-Net-(Q1-D): Q1#6.3 R1#2.2
Board_1-Net-(U1-ANT): L2#6.1 U1#5.D1
Board_1-Net-(U1-DCC): L1#7.2 U1#5.A7
Board_1-Net-(U1-DECA): C2#2.1 C5#3.1 C12#7.1 FB1.1 U1#5.A4 U1#5.B1
Board_1-Net-(U1-DECD): C1#5.1 FB1.2 L1#7.1 U1#5.A5
Board_1-Net-(U1-P1.00): U1#5.C5 Y1#7.2
Board_1-Net-(U1-XC1): U1#5.A1 Y2#3.1
Board_1-Net-(U1-XC2): U1#5.A2 Y2#3.4
Board_1-Net-(U3-V_{REG_OUT}): C15#6.1 U3#2.9
Board_1-unconnected-(AE1-FEED-Pad1): AE1#5.1
Board_1-unconnected-(J1-SWO-Pad6): J1.6
Board_1-unconnected-(U1-P0.02-PadE2): U1#5.E2
Board_1-unconnected-(U1-P0.04-PadD3): U1#5.D3
Board_1-unconnected-(U1-P1.03-PadD5): U1#5.D5
Board_1-unconnected-(U1-P1.05-PadE6): U1#5.E6
Board_1-unconnected-(U1-P1.11-PadC4): U1#5.C4
Board_1-unconnected-(U1-P1.13-PadB4): U1#5.B4
Board_1-unconnected-(U1-P1.14-PadB5): U1#5.B5
Board_1-unconnected-(U1-P2.00-PadG6): U1#5.G6
Board_1-unconnected-(U1-P2.01-PadG7): U1#5.G7
Board_1-unconnected-(U1-P2.02-PadF6): U1#5.F6
Board_1-unconnected-(U1-P2.03-PadE5): U1#5.E5
Board_1-unconnected-(U1-P2.04-PadF5): U1#5.F5
Board_1-unconnected-(U1-P2.05-PadG5): U1#5.G5
Board_1-unconnected-(U1-P2.06-PadF4): U1#5.F4
Board_1-unconnected-(U1-P2.07-PadE4): U1#5.E4
Board_1-unconnected-(U1-P2.08-PadD4): U1#5.D4
Board_1-unconnected-(U1-P2.09-PadF3): U1#5.F3
Board_1-unconnected-(U1-P2.10-PadG2): U1#5.G2
Board_1-unconnected-(U2-NC-Pad6): U2#3.6
Board_1-unconnected-(U3-ADC_IN-Pad8): U3#2.8
Board_1-VDD: C3#9.1 C8#3.1 C10#9.1 C11#5.1 D1#2.2 J1.1 JP1#3.2 R2#2.1 R3#7.1 U1#5.B7 U1#5.G3 U2#3.4
Board_2-/BUTTON0: SW1#4.1 U1#3.C7
Board_2-/INT1: U1#3.G1 U3#9.5
Board_2-/INT2: U1#3.D7 U3#9.6
Board_2-/LED: Q1.1 R4#7.1 U1#3.B3
Board_2-/LFCLK1: U1#3.B6 U1#3.C6 Y1#8.1
Board_2-/LSW: U1#3.C3 U2#9.3
Board_2-/PDM_CLK: MK1.3 U1#3.E1
Board_2-/PDM_DATA: MK1.4 U1#3.F1
Board_2-/SCL: R3#8.2 U1#3.F7 U3#9.4
Board_2-/SDA: R2#6.2 U1#3.D6 U3#9.2
Board_2-/UART_RX: TP2#4.1 U1#3.A3
Board_2-/UART_TX: TP1#9.1 U1#3.E7
Board_2-GND: BT1#2.2 C1#6.2 C2.2 C3#5.2 C4#9.2 C5#6.2 C6#2.2 C8#8.2 C9#8.2 C10#5.2 C11#2.2 C12#4.2 C15#2.2 C16#6.2 C17#9.2 C20#3.2 J1#6.5 L18#9.2 MK1.2 MK1.5 Q1.2 R4#7.2 SW1#4.2 U1#3.A6 U1#3.C2 U1#3.G4 U2#9.2 U2#9.5 U3#9.1 U3#9.3 U3#9.7 U3#9.11 Y2#7.2 Y2#7.3
Board_2-Net-(AE1-PCB_Trace): AE1#9.2 L7#4.2
Board_2-Net-(BT1-+): BT1#2.1 JP1#9.1
Board_2-Net-(C6-Pad1): C6#2.1 L2#8.2 L3#5.1
Board_2-Net-(C9-Pad1): C9#8.1 L3#5.2 L4#6.1
Board_2-Net-(D1-K): D1#8.1 R1#8.1
Board_2-Net-(J1-SWCLK): J1#6.4 U1#3.E3
Board_2-Net-(J1-SWDIO): J1#6.2 U1#3.F2
Board_2-Net-(J1-~{RESET}): J1#6.3 U1#3.D2
Board_2-Net-(JP2-A): C16#6.1 JP2#7.1 U3#9.12
Board_2-Net-(JP3-A): C17#9.1 JP3#3.1 U3#9.10
Board_2-Net-(L4-Pad2): L4#6.2 L6#5.1
Board_2-Net-(L18-Pad1): L6#5.2 L7#4.1 L18#9.1
Board_2-Net-(Q1-D): Q1.3 R1#8.2
Board_2-Net-(U1-ANT): L2#8.1 U1#3.D1
Board_2-Net-(U1-DCC): L1#2.2 U1#3.A7
Board_2-Net-(U1-DECA): C2.1 C5#6.1 C12#4.1 FB1#8.1 U1#3.A4 U1#3.B1
Board_2-Net-(U1-DECD): C1#6.1 FB1#8.2 L1#2.1 U1#3.A5
Board_2-Net-(U1-P1.00): U1#3.C5 Y1#8.2
Board_2-Net-(U1-XC1): U1#3.A1 Y2#7.1
Board_2-Net-(U1-XC2): U1#3.A2 Y2#7.4
Board_2-Net-(U3-V_{REG_OUT}): C15#2.1 U3#9.9
Board_2-unconnected-(AE1-FEED-Pad1): AE1#9.1
Board_2-unconnected-(J1-SWO-Pad6): J1#6.6
Board_2-unconnected-(U1-P0.02-PadE2): U1#3.E2
Board_2-unconnected-(U1-P0.04-PadD3): U1#3.D3
Board_2-unconnected-(U1-P1.03-PadD5): U1#3.D5
Board_2-unconnected-(U1-P1.05-PadE6): U1#3.E6
Board_2-unconnected-(U1-P1.11-PadC4): U1#3.C4
Board_2-unconnected-(U1-P1.13-PadB4): U1#3.B4
Board_2-unconnected-(U1-P1.14-PadB5): U1#3.B5
Board_2-unconnected-(U1-P2.00-PadG6): U1#3.G6
Board_2-unconnected-(U1-P2.01-PadG7): U1#3.G7
Board_2-unconnected-(U1-P2.02-PadF6): U1#3.F6
Board_2-unconnected-(U1-P2.03-PadE5): U1#3.E5
Board_2-unconnected-(U1-P2.04-PadF5): U1#3.F5
Board_2-unconnected-(U1-P2.05-PadG5): U1#3.G5
Board_2-unconnected-(U1-P2.06-PadF4): U1#3.F4
Board_2-unconnected-(U1-P2.07-PadE4): U1#3.E4
Board_2-unconnected-(U1-P2.08-PadD4): U1#3.D4
Board_2-unconnected-(U1-P2.09-PadF3): U1#3.F3
Board_2-unconnected-(U1-P2.10-PadG2): U1#3.G2
Board_2-unconnected-(U2-NC-Pad6): U2#9.6
Board_2-unconnected-(U3-ADC_IN-Pad8): U3#9.8
Board_2-VDD: C3#5.1 C8#8.1 C10#5.1 C11#2.1 D1#8.2 J1#6.1 JP1#9.2 R2#6.1 R3#8.1 U1#3.B7 U1#3.G3 U2#9.4
Board_3-/BUTTON0: SW1#7.1 U1#9.C7
Board_3-/INT1: U1#9.G1 U3#5.5
Board_3-/INT2: U1#9.D7 U3#5.6
Board_3-/LED: Q1#9.1 R4#2.1 U1#9.B3
Board_3-/LFCLK1: U1#9.B6 U1#9.C6 Y1#5.1
Board_3-/LSW: U1#9.C3 U2#4.3
Board_3-/PDM_CLK: MK1#7.3 U1#9.E1
Board_3-/PDM_DATA: MK1#7.4 U1#9.F1
Board_3-/SCL: R3.2 U1#9.F7 U3#5.4
Board_3-/SDA: R2#9.2 U1#9.D6 U3#5.2
Board_3-/UART_RX: TP2#6.1 U1#9.A3
Board_3-/UART_TX: TP1#2.1 U1#9.E7
Board_3-GND: BT1#9.2 C1#3.2 C2#8.2 C3#7.2 C4#6.2 C5#5.2 C6#9.2 C8.2 C9#6.2 C10#4.2 C11#7.2 C12#3.2 C15#3.2 C16#5.2 C17.2 C20#6.2 J1#4.5 L18#2.2 MK1#7.2 MK1#7.5 Q1#9.2 R4#2.2 SW1#7.2 U1#9.A6 U1#9.C2 U1#9.G4 U2#4.2 U2#4.5 U3#5.1 U3#5.3 U3#5.7 U3#5.11 Y2#5.2 Y2#5.3
Board_3-Net-(AE1-PCB_Trace): AE1#4.2 L7#7.2
Board_3-Net-(BT1-+): BT1#9.1 JP1#6.1
Board_3-Net-(C6-Pad1): C6#9.1 L2#9.2 L3#3.1
Board_3-Net-(C9-Pad1): C9#6.1 L3#3.2 L4#7.1
Board_3-Net-(D1-K): D1#4.1 R1#4.1
Board_3-Net-(J1-SWCLK): J1#4.4 U1#9.E3
Board_3-Net-(J1-SWDIO): J1#4.2 U1#9.F2
Board_3-Net-(J1-~{RESET}): J1#4.3 U1#9.D2
Board_3-Net-(JP2-A): C16#5.1 JP2#4.1 U3#5.12
Board_3-Net-(JP3-A): C17.1 JP3#7.1 U3#5.10
Board_3-Net-(L4-Pad2): L4#7.2 L6#7.1
Board_3-Net-(L18-Pad1): L6#7.2 L7#7.1 L18#2.1
Board_3-Net-(Q1-D): Q1#9.3 R1#4.2
Board_3-Net-(U1-ANT): L2#9.1 U1#9.D1
Board_3-Net-(U1-DCC): L1.2 U1#9.A7
Board_3-Net-(U1-DECA): C2#8.1 C5#5.1 C12#3.1 FB1#4.1 U1#9.A4 U1#9.B1
Board_3-Net-(U1-DECD): C1#3.1 FB1#4.2 L1.1 U1#9.A5
Board_3-Net-(U1-P1.00): U1#9.C5 Y1#5.2
Board_3-Net-(U1-XC1): U1#9.A1 Y2#5.1
Board_3-Net-(U1-XC2): U1#9.A2 Y2#5.4
Board_3-Net-(U3-V_{REG_OUT}): C15#3.1 U3#5.9
Board_3-unconnected-(AE1-FEED-Pad1): AE1#4.1
Board_3-unconnected-(J1-SWO-Pad6): J1#4.6
Board_3-unconnected-(U1-P0.02-PadE2): U1#9.E2
Board_3-unconnected-(U1-P0.04-PadD3): U1#9.D3
Board_3-unconnected-(U1-P1.03-PadD5): U1#9.D5
Board_3-unconnected-(U1-P1.05-PadE6): U1#9.E6
Board_3-unconnected-(U1-P1.11-PadC4): U1#9.C4
Board_3-unconnected-(U1-P1.13-PadB4): U1#9.B4
Board_3-unconnected-(U1-P1.14-PadB5): U1#9.B5
Board_3-unconnected-(U1-P2.00-PadG6): U1#9.G6
Board_3-unconnected-(U1-P2.01-PadG7): U1#9.G7
Board_3-unconnected-(U1-P2.02-PadF6): U1#9.F6
Board_3-unconnected-(U1-P2.03-PadE5): U1#9.E5
Board_3-unconnected-(U1-P2.04-PadF5): U1#9.F5
